# KiCad board kb.kicad_pcb (continued)
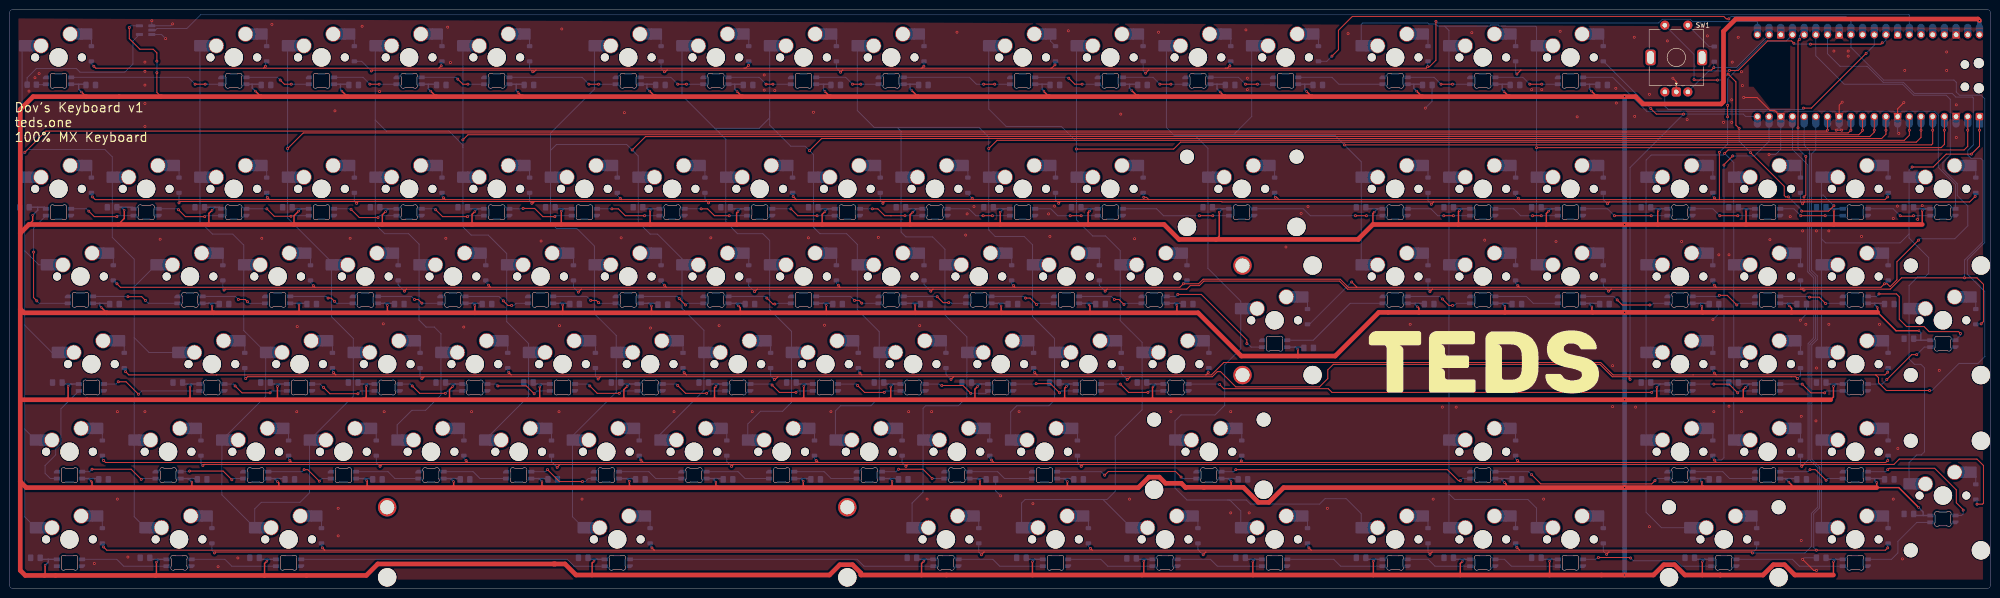
[diagram p0: board, top side]
## Placement (name value [footprint] x y rotation side) (continued)
MX101  MX_SW_HS  [SW_MX_HS_CPG151101S11_1u]  301.23 10.74 180 bottom
MX102  MX_SW_HS  [SW_MX_HS_CPG151101S11_1u]  320.28 10.74 180 bottom
MX103  MX_SW_HS  [SW_MX_HS_CPG151101S11_1u]  339.33 10.74 180 bottom
MX104  MX_SW_HS  [SW_MX_HS_CPG151101S11_1u]  372.67 10.74 180 bottom
MX105  MX_SW_HS  [SW_MX_HS_CPG151101S11_1u]  401.24 10.74 180 bottom
R1  330R  [R_0805_2012Metric_Pad1.20x1.40mm_HandSolder]  4.9 109.6 0 bottom
S1  MX_stab  [STAB_MX_P_6.25u]  132.16 10.74 0 top
S2  MX_stab  [STAB_MX_2u]  267.89 86.94 0 top
S3  MX_stab  [STAB_MX_2.75u]  260.75 29.79 0 top
S4  MX_stab  [STAB_MX_P_ISO]  275.04 58.37 0 top
S5  MX_stab  [STAB_MX_2u]  372.67 10.74 0 top
S6  MX_stab  [STAB_MX_2u]  420.29 58.37 90 top
S7  MX_stab  [STAB_MX_2u]  420.29 20.27 90 top
SW1  RotaryEncoder_Switch  [ROT_Alps_EC11E-Switch]  362.35 115.52 0 top
U1  SN74LV1T125DBV  [SOT-23-5_HandSoldering]  29.65 121.45 180 bottom

## Library data of the parts
A1 = -: Datasheet: https://datasheets.raspberrypi.com/picow/pico-w-datasheet.pdf; Description: Versatile and inexpensive wireless microcontroller module powered by RP2040 dual-core Arm Cortex-M0+ processor up to 133 MHz, 264kB SRAM, 2MB QSPI flash, Infineon CYW43439 2.4GHz 802.11n wireless LAN; also supports Raspberry Pi Pico 2 W; ki_fp_filters: RaspberryPi?Pico?Common* RaspberryPi?Pico?W?SMD*
C1-C105 = -: Description: Unpolarized capacitor; ki_fp_filters: C_*
D1-D106 = -: Description: Diode; Sim.Pins: 1=K 2=A; ki_fp_filters: TO-???* *_Diode_* *SingleDiode* D_*
LED1-LED105 = -: Description: Reverse mount adressable LED (WS2812 protocol)
MX1-MX105 = -: Description: Push button switch, normally open, two pins, 45° tilted, Kailh CPG151101S11 for Cherry MX style switches
R1 = -: Description: Resistor; ki_fp_filters: R_*
S1-S7 = -: Description: Cherry MX-style stabilizer
SW1 = -: Description: Rotary encoder, dual channel, incremental quadrate outputs, with switch; ki_fp_filters: RotaryEncoder*Switch*
U1 = -: Datasheet: https://www.ti.com/lit/ds/symlink/sn74lv1t125.pdf; Description: Single Power Supply, Single Buffer Gate with 3-State Output, CMOS Logic Level Shifter Level Shifter, SOT-23-5; ki_fp_filters: SOT?23*

## Footprints (pads in the part's own frame, mm; a bottom-side part is the same pattern mirrored in y, then rotated)
C_0805_2012Metric_Pad1.18x1.45mm_HandSolder
  rrect 1.175x1.45 smd: 1(-1.038,0) 2(1.038,0)
D_SOD-123
  rrect 0.9x1.2 smd: 1(-1.65,0) 2(1.65,0)
LED_MX_6028R
  rrect 1.35x0.82 smd: 1(2.725,0.75) 2(2.725,-0.75) 3(-2.725,0.75) 4(-2.725,-0.75)
LED_MX_6028R-ROT
  rrect 1.35x0.82 smd: 1(-2.725,-0.75) 2(-2.725,0.75) 3(2.725,-0.75) 4(2.725,0.75)
R_0805_2012Metric_Pad1.20x1.40mm_HandSolder
  rrect 1.2x1.4 smd: 1(-1,0) 2(1,0)
RaspberryPi_Pico_Common_Unspecified
  round 2.2 hole 2.2 unplated: (-2.725,24) (2.725,24)
  round 1.85 hole 1.85 unplated: (-2.425,20.97) (2.425,20.97)
  custom 3.2x1.6 smd: 1(-9.69,24.13) 3(-9.69,19.05) 8(-9.69,6.35) 13(-9.69,-6.35) 18(-9.69,-19.05) 23(9.69,-19.05) 28(9.69,-6.35) 33(9.69,6.35) 38(9.69,19.05)
  rrect 1.6x1.6 hole 1: 1(-8.89,24.13)
  rrect 3.2x1.6 smd: 2(-9.69,21.59) 4(-9.69,16.51) 5(-9.69,13.97) 6(-9.69,11.43) 7(-9.69,8.89) 9(-9.69,3.81) 10(-9.69,1.27) 11(-9.69,-1.27) 12(-9.69,-3.81) 14(-9.69,-8.89) 15(-9.69,-11.43) 16(-9.69,-13.97) 17(-9.69,-16.51) 19(-9.69,-21.59) 20(-9.69,-24.13) 21(9.69,-24.13) 22(9.69,-21.59) 24(9.69,-16.51) 25(9.69,-13.97) 26(9.69,-11.43) 27(9.69,-8.89) 29(9.69,-3.81) 30(9.69,-1.27) 31(9.69,1.27) 32(9.69,3.81) 34(9.69,8.89) 35(9.69,11.43) 36(9.69,13.97) 37(9.69,16.51) 39(9.69,21.59) 40(9.69,24.13)
  round 1.6 hole 1: 2(-8.89,21.59) 4(-8.89,16.51) 5(-8.89,13.97) 6(-8.89,11.43) 7(-8.89,8.89) 9(-8.89,3.81) 10(-8.89,1.27) 11(-8.89,-1.27) 12(-8.89,-3.81) 14(-8.89,-8.89) 15(-8.89,-11.43) 16(-8.89,-13.97) 17(-8.89,-16.51) 19(-8.89,-21.59) 20(-8.89,-24.13) 21(8.89,-24.13) 22(8.89,-21.59) 24(8.89,-16.51) 25(8.89,-13.97) 26(8.89,-11.43) 27(8.89,-8.89) 29(8.89,-3.81) 30(8.89,-1.27) 31(8.89,1.27) 32(8.89,3.81) 34(8.89,8.89) 35(8.89,11.43) 36(8.89,13.97) 37(8.89,16.51) 39(8.89,21.59) 40(8.89,24.13)
  custom 1.6x1.6 hole 1: 3(-8.89,19.05) 8(-8.89,6.35) 13(-8.89,-6.35) 18(-8.89,-19.05) 23(8.89,-19.05) 28(8.89,-6.35) 33(8.89,6.35) 38(8.89,19.05)
ROT_Alps_EC11E-Switch
  round 2 hole 1: A(-2.5,-7.5) B(2.5,-7.5) S1(2.5,7) S2(-2.5,7)
  rrect 2x2 hole 1: C(0,-7.5)
  rrect 2.2x3.4 hole 1.5x2.8: MP(-5.6,0) MP(5.6,0)
SOT-23-5_HandSoldering
  rrect 1.56x0.65 smd: 1(-1.35,0.95) 2(-1.35,0) 3(-1.35,-0.95) 4(1.35,-0.95) 5(1.35,0.95)
STAB_MX_2.75u
  round 3.048 hole 3.048 unplated: (-11.906,6.985) (11.906,6.985)
  round 3.988 hole 3.988 unplated: (-11.906,-8.255) (11.906,-8.255)
STAB_MX_2u
  round 3.048 hole 3.048 unplated: (-11.906,6.985) (11.906,6.985)
  round 3.988 hole 3.988 unplated: (-11.906,-8.255) (11.906,-8.255)
STAB_MX_P_6.25u
  round 4 hole 3.048: (-50.006,6.985) (50.006,6.985)
  round 3.988 hole 3.988 unplated: (-50.006,-8.255) (50.006,-8.255)
STAB_MX_P_ISO
  round 4 hole 3.048: (-6.985,11.906) (-6.985,-11.906)
  round 3.988 hole 3.988 unplated: (8.255,11.906) (8.255,-11.906)
SW_MX_HS_CPG151101S11_1.5u
  round 1.75 hole 1.75 unplated: (-5.08,0) (5.08,0)
  round 3.988 hole 3.988 unplated: (0,0)
  round 3.3 hole 3: 1(3.81,2.54) 2(-2.54,5.08)
  rect 1.65x2.5 smd: 1(5.635,2.54) 2(-4.34,5.08)
  rrect 2.55x2.5 smd: 1(7.36,2.54) 2(-6.09,5.08)
SW_MX_HS_CPG151101S11_1.25u
  round 1.75 hole 1.75 unplated: (-5.08,0) (5.08,0)
  round 3.988 hole 3.988 unplated: (0,0)
  round 3.3 hole 3: 1(3.81,2.54) 2(-2.54,5.08)
  rect 1.65x2.5 smd: 1(5.635,2.54) 2(-4.34,5.08)
  rrect 2.55x2.5 smd: 1(7.36,2.54) 2(-6.09,5.08)
SW_MX_HS_CPG151101S11_1.75u
  round 1.75 hole 1.75 unplated: (-5.08,0) (5.08,0)
  round 3.988 hole 3.988 unplated: (0,0)
  round 3.3 hole 3: 1(3.81,2.54) 2(-2.54,5.08)
  rect 1.65x2.5 smd: 1(5.635,2.54) 2(-4.34,5.08)
  rrect 2.55x2.5 smd: 1(7.36,2.54) 2(-6.09,5.08)
SW_MX_HS_CPG151101S11_1u
  round 1.75 hole 1.75 unplated: (-5.08,0) (5.08,0)
  round 3.988 hole 3.988 unplated: (0,0)
  round 3.3 hole 3: 1(3.81,2.54) 2(-2.54,5.08)
  rect 1.65x2.5 smd: 1(5.635,2.54) 2(-4.34,5.08)
  rrect 2.55x2.5 smd: 1(7.36,2.54) 2(-6.09,5.08)

## Nets
+5V: A1.40 C1.2 C2.2 C3.2 C4.2 C5.2 C6.2 C7.2 C8.2 C9.2 C10.2 C11.2 C12.2 C13.2 C14.2 C15.2 C16.2 C17.2 C18.2 C19.2 C20.2 C21.2 C22.2 C23.2 C24.2 C25.2 C26.2 C27.2 C28.2 C29.2 C30.2 C31.2 C32.2 C33.2 C34.2 C35.2 C36.2 C37.2 C38.2 C39.2 C40.2 C41.2 C42.2 C43.2 C44.2 C45.2 C46.2 C47.2 C48.2 C49.2 C50.2 C51.2 C52.2 C53.2 C54.2 C55.2 C56.2 C57.2 C58.2 C59.2 C60.2 C61.2 C62.2 C63.2 C64.2 C65.2 C66.2 C67.2 C68.2 C69.2 C70.2 C71.2 C72.2 C73.2 C74.2 C75.2 C76.2 C77.2 C78.2 C79.2 C80.2 C81.2 C82.2 C83.2 C84.2 C85.2 C86.2 C87.2 C88.2 C89.2 C90.2 C91.2 C92.2 C93.2 C94.2 C95.2 C96.2 C97.2 C98.2 C99.2 C100.2 C101.2 C102.2 C103.2 C104.2 C105.2 LED1.1 LED2.1 LED3.1 LED4.1 LED5.1 LED6.1 LED7.1 LED8.1 LED9.1 LED10.1 LED11.1 LED12.1 LED13.1 LED14.1 LED15.1 LED16.1 LED17.1 LED18.1 LED19.1 LED20.1 LED21.1 LED22.1 LED23.1 LED24.1 LED25.1 LED26.1 LED27.1 LED28.1 LED29.1 LED30.1 LED31.1 LED32.1 LED33.1 LED34.1 LED35.1 LED36.1 LED37.1 LED38.1 LED39.1 LED40.1 LED41.1 LED42.1 LED43.1 LED44.1 LED45.1 LED46.1 LED47.1 LED48.1 LED49.1 LED50.1 LED51.1 LED52.1 LED53.1 LED54.1 LED55.1 LED56.1 LED57.1 LED58.1 LED59.1 LED60.1 LED61.1 LED62.1 LED63.1 LED64.1 LED65.1 LED66.1 LED67.1 LED68.1 LED69.1 LED70.1 LED71.1 LED72.1 LED73.1 LED74.1 LED75.1 LED76.1 LED77.1 LED78.1 LED79.1 LED80.1 LED81.1 LED82.1 LED83.1 LED84.1 LED85.1 LED86.1 LED87.1 LED88.1 LED89.1 LED90.1 LED91.1 LED92.1 LED93.1 LED94.1 LED95.1 LED96.1 LED97.1 LED98.1 LED99.1 LED100.1 LED101.1 LED102.1 LED103.1 LED104.1 LED105.1 U1.5
GND: A1.3 A1.8 A1.13 A1.18 A1.23 A1.28 A1.38 C1.1 C2.1 C3.1 C4.1 C5.1 C6.1 C7.1 C8.1 C9.1 C10.1 C11.1 C12.1 C13.1 C14.1 C15.1 C16.1 C17.1 C18.1 C19.1 C20.1 C21.1 C22.1 C23.1 C24.1 C25.1 C26.1 C27.1 C28.1 C29.1 C30.1 C31.1 C32.1 C33.1 C34.1 C35.1 C36.1 C37.1 C38.1 C39.1 C40.1 C41.1 C42.1 C43.1 C44.1 C45.1 C46.1 C47.1 C48.1 C49.1 C50.1 C51.1 C52.1 C53.1 C54.1 C55.1 C56.1 C57.1 C58.1 C59.1 C60.1 C61.1 C62.1 C63.1 C64.1 C65.1 C66.1 C67.1 C68.1 C69.1 C70.1 C71.1 C72.1 C73.1 C74.1 C75.1 C76.1 C77.1 C78.1 C79.1 C80.1 C81.1 C82.1 C83.1 C84.1 C85.1 C86.1 C87.1 C88.1 C89.1 C90.1 C91.1 C92.1 C93.1 C94.1 C95.1 C96.1 C97.1 C98.1 C99.1 C100.1 C101.1 C102.1 C103.1 C104.1 C105.1 LED1.4 LED2.4 LED3.4 LED4.4 LED5.4 LED6.4 LED7.4 LED8.4 LED9.4 LED10.4 LED11.4 LED12.4 LED13.4 LED14.4 LED15.4 LED16.4 LED17.4 LED18.4 LED19.4 LED20.4 LED21.4 LED22.4 LED23.4 LED24.4 LED25.4 LED26.4 LED27.4 LED28.4 LED29.4 LED30.4 LED31.4 LED32.4 LED33.4 LED34.4 LED35.4 LED36.4 LED37.4 LED38.4 LED39.4 LED40.4 LED41.4 LED42.4 LED43.4 LED44.4 LED45.4 LED46.4 LED47.4 LED48.4 LED49.4 LED50.4 LED51.4 LED52.4 LED53.4 LED54.4 LED55.4 LED56.4 LED57.4 LED58.4 LED59.4 LED60.4 LED61.4 LED62.4 LED63.4 LED64.4 LED65.4 LED66.4 LED67.4 LED68.4 LED69.4 LED70.4 LED71.4 LED72.4 LED73.4 LED74.4 LED75.4 LED76.4 LED77.4 LED78.4 LED79.4 LED80.4 LED81.4 LED82.4 LED83.4 LED84.4 LED85.4 LED86.4 LED87.4 LED88.4 LED89.4 LED90.4 LED91.4 LED92.4 LED93.4 LED94.4 LED95.4 LED96.4 LED97.4 LED98.4 LED99.4 LED100.4 LED101.4 LED102.4 LED103.4 LED104.4 LED105.4 SW1.C U1.1 U1.3
COL0: A1.14 MX1.1 MX17.1 MX18.1 MX38.1 MX39.1 MX59.1 MX60.1 MX75.1 MX76.1 MX93.1 MX94.1
COL1: A1.12 MX2.1 MX3.1 MX19.1 MX20.1 MX40.1 MX41.1 MX61.1 MX62.1 MX77.1 MX78.1 MX95.1
COL2: A1.11 MX4.1 MX5.1 MX21.1 MX22.1 MX42.1 MX43.1 MX63.1 MX64.1 MX79.1 MX80.1
COL3: A1.10 MX6.1 MX23.1 MX24.1 MX44.1 MX45.1 MX65.1 MX66.1 MX81.1 MX82.1 MX96.1
COL4: A1.9 MX7.1 MX8.1 MX25.1 MX26.1 MX46.1 MX47.1 MX67.1 MX68.1 MX83.1 MX84.1
COL5: A1.7 MX9.1 MX27.1 MX28.1 MX48.1 MX49.1 MX69.1 MX70.1 MX85.1 MX86.1 MX97.1
COL6: A1.6 MX10.1 MX11.1 MX29.1 MX50.1 MX71.1 MX98.1 MX99.1
COL7: A1.5 MX12.1 MX13.1 MX30.1 MX31.1 MX51.1 MX52.1 MX87.1 MX100.1 MX101.1
COL8: A1.4 MX14.1 MX15.1 MX16.1 MX32.1 MX33.1 MX53.1 MX54.1 MX88.1 MX102.1 MX103.1
COL9: A1.2 MX34.1 MX35.1 MX55.1 MX56.1 MX72.1 MX73.1 MX89.1 MX90.1 MX104.1
COL10: A1.1 MX36.1 MX37.1 MX57.1 MX58.1 MX74.1 MX91.1 MX92.1 MX105.1 SW1.S2
EC11A: A1.31 SW1.A
EC11B: A1.32 SW1.B
RGB: A1.34 U1.2
ROW00: A1.21 D1.1 D2.1 D4.1 D7.1 D9.1 D10.1 D12.1 D14.1
ROW01: A1.22 D3.1 D5.1 D6.1 D8.1 D11.1 D15.1 D106.1
ROW10: A1.24 D17.1 D19.1 D21.1 D23.1 D25.1 D27.1 D29.1 D30.1 D32.1 D34.1 D36.1
ROW11: A1.25 D18.1 D20.1 D22.1 D24.1 D26.1 D28.1 D31.1 D33.1 D35.1 D37.1
ROW20: A1.26 D38.1 D40.1 D42.1 D44.1 D46.1 D48.1 D50.1 D51.1 D53.1 D55.1 D57.1
ROW21: A1.27 D39.1 D41.1 D43.1 D45.1 D47.1 D49.1 D52.1 D54.1 D56.1 D58.1
ROW30: A1.29 D13.1 D59.1 D61.1 D63.1 D65.1 D67.1 D69.1 D71.1 D72.1 D74.1
ROW31: A1.20 D16.1 D60.1 D62.1 D64.1 D66.1 D68.1 D70.1 D73.1
ROW40: A1.19 D75.1 D77.1 D79.1 D81.1 D83.1 D85.1 D87.1 D88.1 D89.1 D91.1
ROW41: A1.17 D76.1 D78.1 D80.1 D82.1 D84.1 D86.1 D90.1 D92.1
ROW50: A1.15 D93.1 D95.1 D96.1 D98.1 D100.1 D102.1 D105.1
ROW51: A1.16 D94.1 D97.1 D99.1 D101.1 D103.1 D104.1
Net-(D1-A): D1.2 MX1.2
Net-(D2-A): D2.2 MX2.2
Net-(D3-A): D3.2 MX3.2
Net-(D4-A): D4.2 MX4.2
Net-(D5-A): D5.2 MX5.2
Net-(D6-A): D6.2 MX6.2
Net-(D7-A): D7.2 MX7.2
Net-(D8-A): D8.2 MX8.2
Net-(D9-A): D9.2 MX9.2
Net-(D10-A): D10.2 MX10.2
Net-(D11-A): D11.2 MX11.2
Net-(D12-A): D12.2 MX12.2
Net-(D13-A): D13.2 MX13.2
Net-(D14-A): D14.2 MX14.2
Net-(D15-A): D15.2 MX15.2
Net-(D16-A): D16.2 MX16.2
Net-(D17-A): D17.2 MX17.2
Net-(D18-A): D18.2 MX18.2
Net-(D19-A): D19.2 MX19.2
Net-(D20-A): D20.2 MX20.2
Net-(D21-A): D21.2 MX21.2
Net-(D22-A): D22.2 MX22.2
Net-(D23-A): D23.2 MX23.2
Net-(D24-A): D24.2 MX24.2
Net-(D25-A): D25.2 MX25.2
Net-(D26-A): D26.2 MX26.2
Net-(D27-A): D27.2 MX27.2
Net-(D28-A): D28.2 MX28.2
Net-(D29-A): D29.2 MX29.2
Net-(D30-A): D30.2 MX30.2
Net-(D31-A): D31.2 MX31.2
Net-(D32-A): D32.2 MX32.2
Net-(D33-A): D33.2 MX33.2
Net-(D34-A): D34.2 MX34.2
Net-(D35-A): D35.2 MX35.2
Net-(D36-A): D36.2 MX36.2
Net-(D37-A): D37.2 MX37.2
Net-(D38-A): D38.2 MX38.2
Net-(D39-A): D39.2 MX39.2
Net-(D40-A): D40.2 MX40.2
Net-(D41-A): D41.2 MX41.2
Net-(D42-A): D42.2 MX42.2
Net-(D43-A): D43.2 MX43.2
Net-(D44-A): D44.2 MX44.2
Net-(D45-A): D45.2 MX45.2
Net-(D46-A): D46.2 MX46.2
Net-(D47-A): D47.2 MX47.2
Net-(D48-A): D48.2 MX48.2
Net-(D49-A): D49.2 MX49.2
Net-(D50-A): D50.2 MX50.2
Net-(D51-A): D51.2 MX51.2
Net-(D52-A): D52.2 MX52.2
Net-(D53-A): D53.2 MX53.2
Net-(D54-A): D54.2 MX54.2
Net-(D55-A): D55.2 MX55.2
Net-(D56-A): D56.2 MX56.2
Net-(D57-A): D57.2 MX57.2
Net-(D58-A): D58.2 MX58.2
Net-(D59-A): D59.2 MX59.2
Net-(D60-A): D60.2 MX60.2
Net-(D61-A): D61.2 MX61.2
Net-(D62-A): D62.2 MX62.2
Net-(D63-A): D63.2 MX63.2
Net-(D64-A): D64.2 MX64.2
Net-(D65-A): D65.2 MX65.2
Net-(D66-A): D66.2 MX66.2
Net-(D67-A): D67.2 MX67.2
Net-(D68-A): D68.2 MX68.2
Net-(D69-A): D69.2 MX69.2
Net-(D70-A): D70.2 MX70.2
Net-(D71-A): D71.2 MX71.2
Net-(D72-A): D72.2 MX72.2
Net-(D73-A): D73.2 MX73.2
Net-(D74-A): D74.2 MX74.2
Net-(D75-A): D75.2 MX75.2
Net-(D76-A): D76.2 MX76.2
Net-(D77-A): D77.2 MX77.2
Net-(D78-A): D78.2 MX78.2
Net-(D79-A): D79.2 MX79.2
Net-(D80-A): D80.2 MX80.2
Net-(D81-A): D81.2 MX81.2
Net-(D82-A): D82.2 MX82.2
Net-(D83-A): D83.2 MX83.2
Net-(D84-A): D84.2 MX84.2
Net-(D85-A): D85.2 MX85.2
Net-(D86-A): D86.2 MX86.2
Net-(D87-A): D87.2 MX87.2
Net-(D88-A): D88.2 MX88.2
Net-(D89-A): D89.2 MX89.2
Net-(D90-A): D90.2 MX90.2
Net-(D91-A): D91.2 MX91.2
Net-(D92-A): D92.2 MX92.2
Net-(D93-A): D93.2 MX93.2
Net-(D94-A): D94.2 MX94.2
Net-(D95-A): D95.2 MX95.2
Net-(D96-A): D96.2 MX96.2
Net-(D97-A): D97.2 MX97.2
Net-(D98-A): D98.2 MX98.2
Net-(D99-A): D99.2 MX99.2
Net-(D100-A): D100.2 MX100.2
Net-(D101-A): D101.2 MX101.2
Net-(D102-A): D102.2 MX102.2
Net-(D103-A): D103.2 MX103.2
Net-(D104-A): D104.2 MX104.2
Net-(D105-A): D105.2 MX105.2
Net-(D106-A): D106.2 SW1.S1
Net-(LED1-DIN): LED1.3 R1.2
Net-(LED1-DOUT): LED1.2 LED2.3
Net-(LED2-DOUT): LED2.2 LED3.3
Net-(LED3-DOUT): LED3.2 LED4.3
Net-(LED4-DOUT): LED4.2 LED5.3
Net-(LED5-DOUT): LED5.2 LED6.3
Net-(LED6-DOUT): LED6.2 LED7.3
Net-(LED7-DOUT): LED7.2 LED8.3
Net-(LED8-DOUT): LED8.2 LED9.3
Net-(LED10-DIN): LED9.2 LED10.3
Net-(LED10-DOUT): LED10.2 LED11.3
Net-(LED11-DOUT): LED11.2 LED12.3
Net-(LED12-DOUT): LED12.2 LED13.3
Net-(LED13-DOUT): LED13.2 LED14.3
Net-(LED14-DOUT): LED14.2 LED15.3
Net-(LED15-DOUT): LED15.2 LED16.3
Net-(LED16-DOUT): LED16.2 LED37.3
Net-(LED17-DIN): LED17.3 LED18.2
Net-(LED17-DOUT): LED17.2 LED38.3
Net-(LED18-DIN): LED18.3 LED19.2
Net-(LED19-DIN): LED19.3 LED20.2
Net-(LED20-DIN): LED20.3 LED21.2
Net-(LED21-DIN): LED21.3 LED22.2
Net-(LED22-DIN): LED22.3 LED23.2
Net-(LED23-DIN): LED23.3 LED24.2
Net-(LED24-DIN): LED24.3 LED25.2
Net-(LED25-DIN): LED25.3 LED26.2
Net-(LED26-DIN): LED26.3 LED27.2
Net-(LED27-DIN): LED27.3 LED28.2
Net-(LED28-DIN): LED28.3 LED29.2
Net-(LED29-DIN): LED29.3 LED30.2
Net-(LED30-DIN): LED30.3 LED31.2
Net-(LED31-DIN): LED31.3 LED32.2
Net-(LED32-DIN): LED32.3 LED33.2
Net-(LED33-DIN): LED33.3 LED34.2
Net-(LED34-DIN): LED34.3 LED35.2
Net-(LED35-DIN): LED35.3 LED36.2
Net-(LED36-DIN): LED36.3 LED37.2
Net-(LED38-DOUT): LED38.2 LED39.3
Net-(LED39-DOUT): LED39.2 LED40.3
Net-(LED40-DOUT): LED40.2 LED41.3
Net-(LED41-DOUT): LED41.2 LED42.3
Net-(LED42-DOUT): LED42.2 LED43.3
Net-(LED43-DOUT): LED43.2 LED44.3
Net-(LED44-DOUT): LED44.2 LED45.3
Net-(LED45-DOUT): LED45.2 LED46.3
Net-(LED46-DOUT): LED46.2 LED47.3
Net-(LED47-DOUT): LED47.2 LED48.3
Net-(LED48-DOUT): LED48.2 LED49.3
Net-(LED49-DOUT): LED49.2 LED50.3
Net-(LED50-DOUT): LED50.2 LED51.3
Net-(LED51-DOUT): LED51.2 LED52.3
Net-(LED52-DOUT): LED52.2 LED53.3
Net-(LED53-DOUT): LED53.2 LED54.3
Net-(LED54-DOUT): LED54.2 LED55.3
Net-(LED55-DOUT): LED55.2 LED56.3
Net-(LED56-DOUT): LED56.2 LED57.3
Net-(LED57-DOUT): LED57.2 LED58.3
Net-(LED58-DOUT): LED58.2 LED74.3
Net-(LED59-DIN): LED59.3 LED60.2
Net-(LED59-DOUT): LED59.2 LED75.3
Net-(LED60-DIN): LED60.3 LED61.2
Net-(LED61-DIN): LED61.3 LED62.2
Net-(LED62-DIN): LED62.3 LED63.2
Net-(LED63-DIN): LED63.3 LED64.2
Net-(LED64-DIN): LED64.3 LED65.2
Net-(LED65-DIN): LED65.3 LED66.2
Net-(LED66-DIN): LED66.3 LED67.2
Net-(LED67-DIN): LED67.3 LED68.2
Net-(LED68-DIN): LED68.3 LED69.2
Net-(LED69-DIN): LED69.3 LED70.2
Net-(LED70-DIN): LED70.3 LED71.2
Net-(LED71-DIN): LED71.3 LED72.2
Net-(LED72-DIN): LED72.3 LED73.2
Net-(LED73-DIN): LED73.3 LED74.2
Net-(LED75-DOUT): LED75.2 LED76.3
Net-(LED76-DOUT): LED76.2 LED77.3
Net-(LED77-DOUT): LED77.2 LED78.3
Net-(LED78-DOUT): LED78.2 LED79.3
Net-(LED79-DOUT): LED79.2 LED80.3
Net-(LED80-DOUT): LED80.2 LED81.3
Net-(LED81-DOUT): LED81.2 LED82.3
Net-(LED82-DOUT): LED82.2 LED83.3
Net-(LED83-DOUT): LED83.2 LED84.3
Net-(LED84-DOUT): LED84.2 LED85.3
Net-(LED85-DOUT): LED85.2 LED86.3
Net-(LED86-DOUT): LED86.2 LED87.3
Net-(LED87-DOUT): LED87.2 LED88.3
Net-(LED88-DOUT): LED88.2 LED89.3
Net-(LED89-DOUT): LED89.2 LED90.3
Net-(LED90-DOUT): LED90.2 LED91.3
Net-(LED91-DOUT): LED91.2 LED92.3
Net-(LED93-DIN): LED93.3 LED94.2
Net-(LED94-DIN): LED94.3 LED95.2
Net-(LED95-DIN): LED95.3 LED96.2
Net-(LED96-DIN): LED96.3 LED97.2
Net-(LED97-DIN): LED97.3 LED98.2
Net-(LED98-DIN): LED98.3 LED99.2
Net-(LED100-DIN): LED100.3 LED101.2
Net-(LED100-DOUT): LED99.3 LED100.2
Net-(LED101-DIN): LED101.3 LED102.2
Net-(LED102-DIN): LED102.3 LED103.2
Net-(LED103-DIN): LED103.3 LED104.2
Net-(LED104-DIN): LED104.3 LED105.2
Net-(LED105-DIN): LED92.2 LED105.3
Net-(U1-Y): R1.1 U1.4

Pads without a net: A1 30 33 35 36 37 39; LED93 2; SW1 MP

## Via types
v1: diameter 0.6, hole 0.3, Top to Bottom, 490 vias
v2: diameter 0.5, hole 0.3, Top to Bottom, 111 vias

## Routing (per net, layer and track width the routed paths; a pad name or vN(x,y) marks a point on that pad's centre or on a via; arc(x,y) is an arc through that point)
+5V: length 3457.7
  Top w0.2: v1(26.1,122) 26.1,119.6 28.4,117.3 31.3,117.3 32.1,116.5 v1(32.1,114.7) ; 33,107 32.1,107.9 v1(32.1,112.2)
  Top w0.3: v2(315.2,82.2) 315,82 315,79.2 ; v2(32,5.8) 32,3.1 31.8,2.9 ; v2(344,61.3) 344,60.3 344.2,60.1 ; v2(222.4,5.9) 222.4,3 ; v2(82.2,61.6) 82.2,60.1 82.3,60 ; v2(343.9,108.2) 345.1,107 ; v2(63,61.7) 63,60 ; v2(56,6) 55.5,5.5 55.5,2.9 ; 126.7,3 126.7,5.6 v2(127.1,6) ; 368.1,22 367.9,22.2 v2(367.9,23.2) ; v2(58.3,44) 58.3,41.1 ; v2(324.9,108.1) 326,107 ; 153.3,41.1 153.3,43.7 v2(153.6,44) ; v2(270.3,5.9) 270.3,3 ; v2(91.6,108.2) 92.8,107 ; 77,41.1 77.6,41.7 v2(77.6,44) ; v2(139.6,61.5) 139.6,60 ; v2(306.1,61.3) 306.4,61 306.4,60.1 ; v2(158.5,61.5) 158.9,61.1 158.9,60 ; 100.6,79.2 100.6,81.4 v2(101.2,82) ; v2(134.8,23.4) 134.8,22.1 134.9,22 ; v2(196.2,108.3) 197.5,107 ; v2(396.5,44) 396.5,41.7 395.9,41.1 ; v2(62.9,82.1) 61.9,81.1 61.9,79.2 ; 215.7,60 215.6,60.1 v2(215.6,61.5) ; v2(230,23.3) 230,22 ; 176.7,79.2 176.7,81.4 v2(177.3,82) ; v2(158.2,108.1) 159.3,107 ; v2(191.6,43.9) 191.6,41.4 191.3,41.1 ; 39.2,41.1 39.3,41.2 v2(39.3,43.9) ; 44.4,60 44.1,60.3 v2(44.1,61.5) ; v2(334.6,82.1) 334.1,81.6 334.1,79.2 ; 12.7,41.1 12.8,41.2 v2(12.8,44) ; v2(244,108.3) 245.3,107 ; v2(358.4,82.2) 358.3,82.1 358.3,79.2 ; v2(139.3,82.2) 139.3,79.2 ; 387.4,60.1 387.4,61 v2(386.9,61.5) ; 325.4,22 325.4,22.7 v2(325,23.1) ; v2(58.3,23.3) 58.6,23 58.6,22 ; 133.6,41.1 133.6,43.3 v2(134.3,44) ; v2(153.6,23.2) 153.6,22.3 153.9,22 ; v2(96.6,23.3) 96.6,22 ; v2(396.6,82.2) 396.6,79.2 ; 368.1,60.1 367.9,60.3 v2(367.9,61.4) ; 234.9,60 234.9,61.5 v2(234.7,61.7) ; v2(198.8,6) 198.3,5.5 198.3,3 ; v2(196.4,81.9) 195.8,81.3 195.8,79.2 ; v2(377.5,82.2) 377.5,79.2 ; v2(158.4,82) 158.1,81.7 158.1,79.2 ; v2(334.8,6) 334.8,3 ; 197,60 196.9,60.1 v2(196.9,61.7) ; 296.4,79.2 296.4,81.6 v2(296.7,81.9) ; v2(377.4,43.8) 376.9,43.3 376.9,41.1 ; 209.9,41.1 209.9,43.4 v2(210.5,44) ; 246.2,3 246.6,3.4 v2(246.6,6) ; v2(229.8,44) 229.4,43.6 229.4,41.1 ; 77.8,22 77.8,23.4 v2(77.7,23.5) ; v2(280.1,52) 280.1,50.6 ; v2(396.5,5.9) 396.5,3 ; 114.9,41.1 115.3,41.5 v2(115.3,43.9) ; v2(265.6,23.3) 265.6,22.05 ; 357.8,41.1 358.1,41.4 v2(358.1,43.8) ; v2(53.5,108.2) 54.7,107 ; v2(115.8,23.3) 115.8,22 ; v2(415.8,82.2) 415.8,79.2 ; v2(215.4,81.9) 215.4,79.2 ; v2(386.8,23.2) 387.4,22.6 387.4,22 ; v2(191.9,23.4) 191.9,22.2 191.7,22 ; v2(25,82.3) 25,80.5 23.7,79.2 ; v2(39.7,23.2) 39.7,22 ; v2(177.3,108.1) 178.4,107 ; v2(72.3,108.2) 73.5,107 ; v2(15.7,108) 16.7,107 ; v2(224.9,108.2) 224.9,108.1 226,107 ; v2(120.3,61.7) 120.3,60 ; 81.1,79.2 81.1,81.3 v2(81.8,82) ; v2(44.1,82.3) 43.4,81.6 43.4,79.2 ; 234.5,79.2 234.5,81.8 v2(234.8,82.1) ; v2(7.8,5.1) 7.8,3 7.7,2.9 ; 248.5,41.1 248.5,43.8 v2(248.6,43.9) ; v2(5.1,81.2) 5.1,80 4.3,79.2 ; v2(253.8,61.6) 253.8,60 ; 95.7,41.1 95.7,43.3 v2(96.4,44) ; v2(263,81.9) 263,76.64 262.3,75.94 ; v2(406,61.2) 406.1,61.1 406.1,60.1 410.1,56.1 v2(415.1,56.1) ; v2(139.2,108.2) 140.4,107 ; v2(17.8,23.4) 18,23.2 18,22 ; v2(172.7,44) 172.7,41.2 172.6,41.1 ; v2(263.2,108) 264.2,107 ; v2(282,108.1) 283.1,107 ; v2(305.9,108.2) 307.1,107 ; v2(211,23.5) 211,22 ; v2(101.2,61.6) 101.2,60 ; v2(368,5.9) 368,3 ; v2(172.6,23.4) 172.6,22 ; v2(315.8,5.9) 315.4,5.5 315.4,3 ; v2(120,82.1) 120,79.2 ; v2(415,17.7) 410.7,22 405.9,22 v2(405.9,23.1) ; v2(296.5,6) 296.5,3 ; v2(325.1,61.4) 325.1,60.1 ; v2(20,61.2) 21.2,60 ; v2(110.6,107.9) 111.5,107 ; v2(177.6,61.6) 177.6,60
  Top w1: 415.8,79.2 v2(351.1,79.2) 296.4,79.2 293.24,76.04 293.24,75.94 254.26,75.94 251,79.2 4.3,79.2 2.4,77.3 ; 405.9,22 v2(351.1,22) 277,22 273.79,18.79 271.52,18.79 268.27,22.05 259.68,22.05 259.56,22.06 255.76,22.06 255.7,22 254.77,22.93 251.33,22.93 249.98,24.28 247.71,24.28 245.42,22 3.7,22 2.4,23.3 ; 2.4,23.3 2.4,4 3.5,2.9 77.6,2.9 80.1,5.4 118.7,5.4 118.3,5.4 120.8,5.4 123.2,3 178.3,3 180.53,5.23 183.31,5.23 185.1,3.44 185.1,3 v2(351.1,3) 357.39,3 359.63,5.23 361.97,5.23 364.2,3 371.9,3 371.91,2.99 381.19,2.99 383.44,5.23 385.87,5.23 388.1,3 396.5,3 ; 2.4,23.3 2.4,60.8 ; 2.4,77.3 2.4,104.2 5.2,107 v2(351.1,107) 353.5,107 355.1,105.4 372.1,105.4 372.6,105.9 372.6,121.2 375.26,123.86 427.91,123.86 v1(428.23,123.54) ; 2.4,77.3 2.4,60.8 ; 2.5,41.1 v2(351.1,41.1) 395.9,41.1 ; 2.4,60.8 3.2,60 258.4,60 267.8,50.6 288.2,50.6 297.7,60.1 v2(351.1,60.1) 406.1,60.1
  Bottom w0.2: U1.5 26.5,122.4 v1(26.1,122) ; v1(32.1,114.7) v1(32.1,112.2)
  Bottom w0.3: 397,6.41 395.21,6.41 C105.2 ; 397,6.41 LED105.1 ; 397,6.41 397,6.4 v2(396.5,5.9) ; v2(44.1,82.3) 44.7,82.9 44.7,82.94 ; C58.2 414.26,54.04 415.5,54.04 ; v2(296.7,81.9) 297.4,82.6 297.4,82.61 ; 378.1,44.51 378.1,44.5 v2(377.4,43.8) ; 378.1,44.51 LED73.1 ; 378.1,44.51 376.16,44.51 C73.2 ; LED63.1 97,44.51 ; 97,44.51 96.91,44.51 v2(96.4,44) ; 97,44.51 95.17,44.51 C63.2 ; 139.7,82.61 138.04,82.61 C24.2 ; 139.7,82.61 139.7,82.6 v2(139.3,82.2) ; 139.7,82.61 LED24.1 ; LED70.1 230.3,44.51 ; 230.3,44.51 228.52,44.51 C70.2 ; 230.3,44.51 230.3,44.5 v2(229.8,44) ; LED9.1 195.8,109.69 ; 195.8,109.69 195.8,108.7 v2(196.2,108.3) ; 195.8,109.69 197.49,109.69 C9.2 ; v2(172.7,44) 173.2,44.5 173.2,44.51 ; C20.2 61.84,82.61 63.5,82.61 ; C30.2 261.86,82.61 263.9,82.61 ; LED20.1 63.5,82.61 ; 63.5,82.61 63.41,82.61 v2(62.9,82.1) ; 158,62.06 158,62 v2(158.5,61.5) ; 158,62.06 159.79,62.06 C45.2 ; 158,62.06 LED45.1 ; C22.2 99.94,82.61 101.9,82.61 ; 62.6,62.06 62.64,62.06 v2(63,61.7) ; 62.6,62.06 LED40.1 ; 62.6,62.06 64.54,62.06 C40.2 ; 197.1,82.61 197.1,82.6 v2(196.4,81.9) ; 197.1,82.61 LED27.1 ; 197.1,82.61 195.19,82.61 C27.2 ; C17.2 6.2,82.94 ; 6.2,82.94 7.66,82.94 LED17.1 ; 6.2,82.94 6.2,82.3 v2(5.1,81.2) ; v2(115.3,43.9) 115.7,44.3 115.7,44.51 ; v2(17.8,23.4) 17.24,23.96 17.2,23.96 ; 43.4,62.06 45.49,62.06 C39.2 ; 43.4,62.06 LED39.1 ; 43.4,62.06 43.54,62.06 v2(44.1,61.5) ; 172.3,23.96 172.3,23.7 v2(172.6,23.4) ; 172.3,23.96 174.07,23.96 C83.2 ; 172.3,23.96 LED83.1 ; 159.1,82.61 157.09,82.61 C25.2 ; 159.1,82.61 159.01,82.61 v2(158.4,82) ; 159.1,82.61 LED25.1 ; C26.2 176.14,82.61 178,82.61 ; C60.2 38.02,44.51 39.6,44.51 ; 154.2,44.51 154.11,44.51 v2(153.6,44) ; 154.2,44.51 152.32,44.51 C66.2 ; 154.2,44.51 LED66.1 ; v2(110.6,107.9) 110.2,108.3 110.2,109.69 ; C14.2 307.02,109.69 305.3,109.69 ; 234.3,62.06 235.99,62.06 C49.2 ; 234.3,62.06 234.34,62.06 v2(234.7,61.7) ; 234.3,62.06 LED49.1 ; v2(32,5.8) 32.3,6.1 32.3,6.41 ; LED87.1 265,23.96 ; 265,23.96 266.94,23.96 C87.2 ; 265,23.96 265,23.9 v2(265.6,23.3) ; LED7.1 157.7,109.69 ; 157.7,109.69 157.7,108.6 v2(158.2,108.1) ; 157.7,109.69 159.39,109.69 C7.2 ; C31.2 295.2,82.61 297.4,82.61 ; LED86.1 229.2,23.96 ; 229.2,23.96 231.22,23.96 C86.2 ; 229.2,23.96 229.34,23.96 v2(230,23.3) ; 115.1,23.96 116.92,23.96 C80.2 ; 115.1,23.96 115.14,23.96 v2(115.8,23.3) ; 115.1,23.96 LED80.1 ; v2(77.6,44) 77.8,44.2 77.8,44.51 ; LED16.1 343.5,109.69 ; 343.5,109.69 345.12,109.69 C16.2 ; 343.5,109.69 343.5,108.6 v2(343.9,108.2) ; 279.5,52.54 281.23,52.54 C51.2 ; 279.5,52.54 279.56,52.54 v2(280.1,52) ; 279.5,52.54 LED51.1 ; v2(244,108.3) 243.5,108.8 243.5,109.69 ; 216.2,82.61 216.11,82.61 v2(215.4,81.9) ; 216.2,82.61 214.24,82.61 C28.2 ; 216.2,82.61 LED28.1 ; v2(415.1,56.1) 415.5,55.7 415.5,54.04 ; 359,82.61 357.11,82.61 C34.2 ; 359,82.61 LED34.1 ; 359,82.61 358.81,82.61 v2(358.4,82.2) ; LED84.1 191.4,23.96 ; 191.4,23.96 193.12,23.96 C84.2 ; 191.4,23.96 191.4,23.9 v2(191.9,23.4) ; v2(127.1,6) 127.51,6.41 127.8,6.41 ; 386.1,23.96 388.39,23.96 C90.2 ; 386.1,23.96 386.1,23.9 v2(386.8,23.2) ; 386.1,23.96 LED90.1 ; 8.5,6.41 8.5,5.8 v2(7.8,5.1) ; 8.5,6.41 LED93.1 ; 8.5,6.41 7.07,6.41 C93.2 ; 91.1,109.69 91.1,108.7 v2(91.6,108.2) ; 91.1,109.69 LED4.1 ; 91.1,109.69 92.71,109.69 C4.2 ; C8.2 178.44,109.69 177,109.69 ; 177,62.06 178.84,62.06 C46.2 ; 177,62.06 LED46.1 ; 177,62.06 177.14,62.06 v2(177.6,61.6) ; C67.2 171.37,44.51 173.2,44.51 ; LED44.1 138.9,62.06 ; 138.9,62.06 140.74,62.06 C44.2 ; 138.9,62.06 139.04,62.06 v2(139.6,61.5) ; v2(210.5,44) 211.01,44.51 211.2,44.51 ; 134.2,23.96 134.24,23.96 v2(134.8,23.4) ; 134.2,23.96 LED81.1 ; 134.2,23.96 135.97,23.96 C81.2 ; C103.2 333.3,6.41 335.3,6.41 ; LED99.1 247,6.41 ; 247,6.41 245.19,6.41 C99.2 ; 247,6.41 247,6.4 v2(246.6,6) ; v2(39.3,43.9) 39.6,44.2 39.6,44.51 ; LED89.1 367.6,23.96 ; 367.6,23.96 367.6,23.5 v2(367.9,23.2) ; 367.6,23.96 369.34,23.96 C89.2 ; 173.2,44.51 LED67.1 ; C94.2 30.88,6.41 32.3,6.41 ; 316.3,6.41 314.25,6.41 C102.2 ; 316.3,6.41 316.3,6.4 v2(315.8,5.9) ; 316.3,6.41 LED102.1 ; 405.5,23.96 407.44,23.96 C91.2 ; 405.5,23.96 405.5,23.5 v2(405.9,23.1) ; 405.5,23.96 LED91.1 ; LED12.1 262.5,109.69 ; 262.5,109.69 264.16,109.69 C12.2 ; 262.5,109.69 262.5,108.7 v2(263.2,108) ; v2(177.3,108.1) 177,108.4 177,109.69 ; C55.2 369.34,62.06 367.6,62.06 ; LED32.1 315.8,82.61 ; 315.8,82.61 315.61,82.61 v2(315.2,82.2) ; 315.8,82.61 314.25,82.61 C32.2 ; 253.3,62.06 255.04,62.06 C50.2 ; 253.3,62.06 LED50.1 ; 253.3,62.06 253.34,62.06 v2(253.8,61.6) ; C96.2 126.13,6.41 127.8,6.41 ; LED13.1 281.6,109.69 ; 281.6,109.69 281.6,108.5 v2(282,108.1) ; 281.6,109.69 283.21,109.69 C13.2 ; LED65.1 134.8,44.51 ; 134.8,44.51 133.27,44.51 C65.2 ; 134.8,44.51 134.8,44.5 v2(134.3,44) ; 101.9,82.61 101.81,82.61 v2(101.2,82) ; 101.9,82.61 LED22.1 ; 138.6,109.69 140.34,109.69 C6.2 ; 138.6,109.69 LED6.1 ; 138.6,109.69 138.6,108.8 v2(139.2,108.2) ; v2(367.9,61.4) 367.6,61.7 367.6,62.06 ; 305.3,109.69 305.3,108.8 v2(305.9,108.2) ; 305.3,109.69 LED14.1 ; 215,62.06 215.04,62.06 v2(215.6,61.5) ; 215,62.06 216.94,62.06 C48.2 ; 215,62.06 LED48.1 ; LED11.1 243.5,109.69 ; 243.5,109.69 245.11,109.69 C11.2 ; 120.5,82.61 118.99,82.61 C23.2 ; 120.5,82.61 120.5,82.6 v2(120,82.1) ; 120.5,82.61 LED23.1 ; LED94.1 32.3,6.41 ; 249.2,44.51 249.2,44.5 v2(248.6,43.9) ; 249.2,44.51 LED71.1 ; 249.2,44.51 247.57,44.51 C71.2 ; 358.8,44.51 357.11,44.51 C72.2 ; 358.8,44.51 LED72.1 ; 358.8,44.51 358.8,44.5 v2(358.1,43.8) ; 235.3,82.61 233.29,82.61 C29.2 ; 235.3,82.61 235.3,82.6 v2(234.8,82.1) ; 235.3,82.61 LED29.1 ; 77.8,44.51 76.12,44.51 C62.2 ; 77.8,44.51 LED62.1 ; 211.2,44.51 LED69.1 ; 211.2,44.51 209.47,44.51 C69.2 ; 39.6,44.51 LED60.1 ; C85.2 212.17,23.96 210.4,23.96 ; v2(222.4,5.9) 222.9,6.4 222.9,6.41 ; LED30.1 263.9,82.61 ; 263.9,82.61 263.71,82.61 v2(263,81.9) ; 367.6,62.06 LED55.1 ; LED58.1 415.5,54.04 ; LED64.1 115.7,44.51 ; 115.7,44.51 114.22,44.51 C64.2 ; 324.6,62.06 324.6,61.9 v2(325.1,61.4) ; 324.6,62.06 LED53.1 ; 324.6,62.06 326.47,62.06 C53.2 ; 38.8,23.96 38.94,23.96 v2(39.7,23.2) ; 38.8,23.96 40.72,23.96 C76.2 ; 38.8,23.96 LED76.1 ; LED79.1 96,23.96 ; 96,23.96 96,23.9 v2(96.6,23.3) ; 96,23.96 97.87,23.96 C79.2 ; 324.5,109.69 324.5,108.5 v2(324.9,108.1) ; 324.5,109.69 326.07,109.69 C15.2 ; 324.5,109.69 LED15.1 ; 196.5,62.06 197.89,62.06 C47.2 ; 196.5,62.06 LED47.1 ; 196.5,62.06 196.54,62.06 v2(196.9,61.7) ; v2(20,61.2) 19.7,61.5 19.7,62.06 ; LED33.1 335.4,82.61 ; 335.4,82.61 335.11,82.61 v2(334.6,82.1) ; 335.4,82.61 333.3,82.61 C33.2 ; 305.6,62.06 307.42,62.06 C52.2 ; 305.6,62.06 305.6,61.8 v2(306.1,61.3) ; 305.6,62.06 LED52.1 ; v2(81.8,82) 82.4,82.6 82.4,82.61 ; C95.2 54.69,6.41 56.2,6.41 ; C38.2 21.67,62.06 19.7,62.06 ; LED36.1 397.3,82.61 ; 397.3,82.61 397.01,82.61 v2(396.6,82.2) ; 397.3,82.61 395.21,82.61 C36.2 ; 81.6,62.06 83.59,62.06 C41.2 ; 81.6,62.06 LED41.1 ; 81.6,62.06 81.74,62.06 v2(82.2,61.6) ; 177,109.69 LED8.1 ; 178,82.61 LED26.1 ; 178,82.61 177.91,82.61 v2(177.3,82) ; LED10.1 224.5,109.69 ; 224.5,109.69 224.5,108.6 v2(224.9,108.2) ; 224.5,109.69 226.06,109.69 C10.2 ; 405.5,62.06 405.5,61.7 v2(406,61.2) ; 405.5,62.06 LED57.1 ; 405.5,62.06 407.44,62.06 C57.2 ; 76.9,23.96 78.82,23.96 C78.2 ; 76.9,23.96 LED78.1 ; 76.9,23.96 77.24,23.96 v2(77.7,23.5) ; 343.6,62.06 345.52,62.06 C54.2 ; 343.6,62.06 LED54.1 ; 343.6,62.06 343.6,61.7 v2(344,61.3) ; 19.7,62.06 LED38.1 ; 416,15.94 416,16.7 v2(415,17.7) ; 416,15.94 LED92.1 ; 416,15.94 414.26,15.94 C92.2 ; 58.8,44.51 58.8,44.5 v2(58.3,44) ; 58.8,44.51 57.07,44.51 C61.2 ; 58.8,44.51 LED61.1 ; 192.3,44.51 192.21,44.51 v2(191.6,43.9) ; 192.3,44.51 190.42,44.51 C68.2 ; 192.3,44.51 LED68.1 ; 17.2,23.96 LED75.1 ; 17.2,23.96 19.29,23.96 C75.2 ; v2(120.3,61.7) 119.94,62.06 119.8,62.06 ; LED43.1 119.8,62.06 ; 119.8,62.06 121.69,62.06 C43.2 ; LED2.1 52.8,109.69 ; 52.8,109.69 52.8,108.9 v2(53.5,108.2) ; 52.8,109.69 54.61,109.69 C2.2 ; v2(101.2,61.6) 100.74,62.06 100.6,62.06 ; v2(198.8,6) 199.21,6.41 199.4,6.41 ; C104.2 366.64,6.41 368.5,6.41 ; v2(153.6,23.2) 153.2,23.6 153.2,23.96 ; C3.2 73.66,109.69 72,109.69 ; C97.2 197.57,6.41 199.4,6.41 ; v2(270.3,5.9) 270.7,6.3 270.7,6.41 ; v2(12.8,44) 13.31,44.51 13.6,44.51 ; 44.7,82.94 45.76,82.94 LED19.1 ; 44.7,82.94 C19.2 ; 82.4,82.61 80.89,82.61 C21.2 ; 82.4,82.61 LED21.1 ; v2(72.3,108.2) 72,108.5 72,109.69 ; 72,109.69 LED3.1 ; 57.7,23.96 59.77,23.96 C77.2 ; 57.7,23.96 LED77.1 ; 57.7,23.96 57.7,23.9 v2(58.3,23.3) ; 100.6,62.06 102.64,62.06 C42.2 ; 100.6,62.06 LED42.1 ; 210.4,23.96 LED85.1 ; 210.4,23.96 210.54,23.96 v2(211,23.5) ; 127.8,6.41 LED96.1 ; 13.6,44.51 11.83,44.51 C59.2 ; 13.6,44.51 LED59.1 ; LED97.1 199.4,6.41 ; v2(386.9,61.5) 386.5,61.9 386.5,62.06 ; C74.2 395.21,44.51 397.3,44.51 ; 324.4,23.96 324.4,23.7 v2(325,23.1) ; 324.4,23.96 326.47,23.96 C88.2 ; 324.4,23.96 LED88.1 ; 153.2,23.96 LED82.1 ; 153.2,23.96 155.02,23.96 C82.2 ; v2(396.5,44) 397.01,44.51 397.3,44.51 ; 56.2,6.41 LED95.1 ; 56.2,6.41 56.2,6.2 v2(56,6) ; 222.9,6.41 LED98.1 ; 222.9,6.41 221.38,6.41 C98.2 ; v2(296.5,6) 296.9,6.4 296.9,6.41 ; 15.1,109.69 15.1,108.6 v2(15.7,108) ; 15.1,109.69 16.51,109.69 C1.2 ; 15.1,109.69 LED1.1 ; 297.4,82.61 LED31.1 ; v2(334.8,6) 335.21,6.41 335.3,6.41 ; 397.3,44.51 LED74.1 ; 416.5,82.61 416.21,82.61 v2(415.8,82.2) ; 416.5,82.61 414.26,82.61 C37.2 ; 416.5,82.61 LED37.1 ; 377.9,82.61 376.16,82.61 C35.2 ; 377.9,82.61 377.9,82.6 v2(377.5,82.2) ; 377.9,82.61 LED35.1 ; LED103.1 335.3,6.41 ; 110.2,109.69 LED5.1 ; 110.2,109.69 111.76,109.69 C5.2 ; 270.7,6.41 LED100.1 ; 270.7,6.41 269.01,6.41 C100.2 ; 386.5,62.06 388.39,62.06 C56.2 ; 386.5,62.06 LED56.1 ; C101.2 295.2,6.41 296.9,6.41 ; LED104.1 368.5,6.41 ; 368.5,6.41 368.5,6.4 v2(368,5.9) ; 296.9,6.41 LED101.1 ; LED18.1 26.71,82.94 C18.2 24.36,82.94 v2(25,82.3)
  Bottom w1: A1.40 A1.40 v1(428.23,123.54) ; v2(351.1,3) v2(351.1,22) v2(351.1,41.1) v2(351.1,60.1) v2(351.1,79.2) v2(351.1,107)
